# KiCad board Parallel.kicad_pcb (continued)
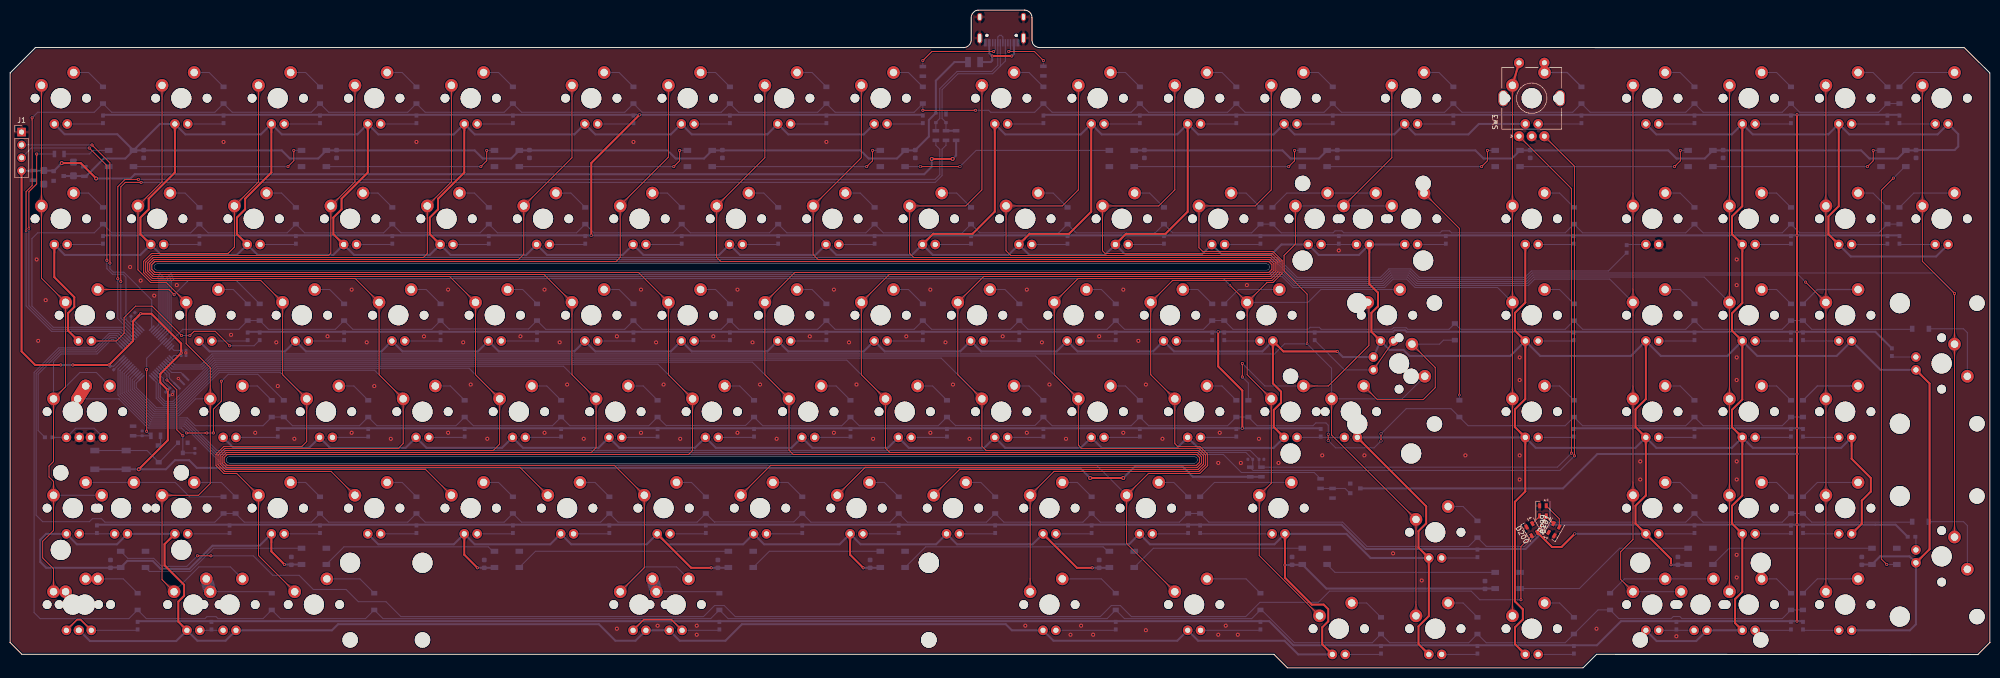
[diagram p0: board, top side]
## Routing (per net, layer and track width the routed paths; a pad name or vN(x,y) marks a point on that pad's centre or on a via; arc(x,y) is an arc through that point) (continued)
Net-(D104-Pad1): length 7.1
  Bottom w0.2: D104.1 161.23,64.57
Net-(D105-Pad1): length 7.1
  Bottom w0.2: D105.1 85.03,64.57
Net-(D106-Pad1): length 42.3
  Top w0.2: D106.1 20.99,64.57 22.5,66.08 22.5,69.17 24.77,71.44 28.06,71.44 v2(33.84,65.65) ; v2(43.37,63.62) 40.5,66.48 36.33,66.48 v2(35.5,65.65)
  Bottom w0.2: v2(33.84,65.65) v2(35.5,65.65) ; v2(43.37,63.62) 48.18,63.62 R48.1
Net-(D107-Pad1): length 7.1
  Bottom w0.2: D107.1 89.79,45.52
Net-(D108-Pad1): length 7.1
  Bottom w0.2: D108.1 65.98,64.57
Net-(D109-Pad1): length 7.1
  Bottom w0.2: D109.1 108.84,45.52
Net-(D110-Pad1): length 7.1
  Bottom w0.2: D110.1 104.08,64.57
Net-(D111-Pad1): length 7
  Bottom w0.2: D95.1 D111.1
Net-(D113-Pad1): length 21
  Top w0.2: D113.1 D114.1
  Bottom w0.2: D113.1 263.53,58.86 R53.1
Net-(D115-Pad1): length 7.1
  Bottom w0.2: D115.1 351.73,64.57
Net-(D116-Pad1): length 7.1
  Bottom w0.2: D116.1 373.12,83.62
Net-(D117-Pad1): length 14.2
  Bottom w0.2: D117.1 235.01,26.47
Net-(D118-Pad1): length 7.1
  Bottom w0.2: D118.1 354.07,64.57
Net-(D119-Pad1): length 7.1
  Bottom w0.2: D119.1 204.09,45.52
Net-(D120-Pad1): length 7.1
  Bottom w0.2: D120.1 156.47,26.47
Net-(D121-Pad1): length 7.1
  Bottom w0.2: D121.1 146.94,45.52
Net-(D122-Pad1): length 7.1
  Bottom w0.2: D122.1 370.78,83.62
Net-(D123-Pad1): length 7.1
  Bottom w0.2: D123.1 308.87,64.57
Net-(D124-Pad1): length 7.1
  Bottom w0.2: D124.1 185.04,45.52
Net-(D125-Pad1): length 7.1
  Bottom w0.2: D125.1 213.62,26.47
Net-(D126-Pad1): length 7.1
  Bottom w0.2: D126.1 351.73,45.52
Net-(D127-Pad1): length 7.1
  Bottom w0.2: D127.1 308.87,45.52
Net-(D128-Pad1): length 7.1
  Bottom w0.2: D128.1 218.38,64.57
Net-(D129-Pad1): length 7.1
  Bottom w0.2: D129.1 165.99,45.52
Net-(D130-Pad1): length 7.1
  Bottom w0.2: D130.1 354.07,45.52
Net-(D131-Pad1): length 7.1
  Bottom w0.2: D131.1 332.68,64.57
Net-(D132-Pad1): length 9.4
  Bottom w0.2: D138.1 D132.1
Net-(D133-Pad1): length 7.1
  Bottom w0.2: D133.1 237.43,64.57
Net-(D134-Pad1): length 7.1
  Bottom w0.2: D134.1 239.77,64.57
Net-(D135-Pad1): length 7.1
  Bottom w0.2: D135.1 175.52,26.47
Net-(D136-Pad1): length 7.1
  Bottom w0.2: D136.1 137.42,26.47
Net-(D137-Pad1): length 7.1
  Bottom w0.2: D137.1 332.68,45.52
Net-(D139-Pad1): length 7.1
  Bottom w0.2: D139.1 223.14,45.52
Net-(D140-Pad1): length 7.1
  Bottom w0.2: D140.1 232.67,26.47
Net-(D141-Pad1): length 7.1
  Bottom w0.2: D141.1 194.57,26.47
Net-(D142-Pad1): length 6.8
  Bottom w0.2: D142.1 351.43,83.62
Net-(D143-Pad1): length 7.1
  Bottom w0.2: D143.1 199.33,64.57
Net-(D144-Pad1): length 7.1
  Bottom w0.2: D144.1 127.89,45.52
Net-(D145-Pad1): length 4.8
  Bottom w0.2: D145.1 371.57,61.4
Net-(D146-Pad1): length 7.1
  Bottom w0.2: D146.1 242.19,45.52
Net-(D147-Pad2): length 3.8
  Bottom w0.2: D147.2 319.29,83.62
Net-(D148-Pad1): length 7.1
  Bottom w0.2: D148.1 308.87,83.62
Net-(D149-Pad2): length 58.5
  Top w0.2: v2(40.16,46.39) 40.16,51.12 41.72,52.68 v2(41.72,56.63) ; v2(34.85,46.39) v2(38.85,46.39)
  Top w2.5: MX97.2 MX58.1
  Bottom w0.2: v2(41.72,56.63) 43.07,57.98 48.92,57.98 D149.2 ; MX58.1 21.48,53.14 27.25,47.37 33.88,47.37 v2(34.85,46.39) ; v2(38.85,46.39) v2(40.16,46.39)
Net-(D150-Pad2): length 7
  Bottom w0.2: MX60.2 48.84,55.68 D150.2
Net-(D151-Pad2): length 7
  Bottom w0.2: MX62.2 67.89,55.68 D151.2
Net-(D152-Pad2): length 7
  Bottom w0.2: D152.2 86.94,55.68 MX64.2
Net-(D153-Pad2): length 7
  Bottom w0.2: D153.2 105.99,55.68 MX66.2
Net-(D154-Pad2): length 7
  Bottom w0.2: MX68.2 125.04,55.68 D154.2
Net-(D155-Pad2): length 7
  Bottom w0.2: MX70.2 144.09,55.68 D155.2
Net-(D156-Pad2): length 7
  Bottom w0.2: MX72.2 163.14,55.68 D156.2
Net-(D157-Pad2): length 7
  Bottom w0.2: MX74.2 182.19,55.68 D157.2
Net-(D158-Pad2): length 7
  Bottom w0.2: MX76.2 201.24,55.68 D158.2
Net-(D159-Pad2): length 7
  Bottom w0.2: D159.2 220.29,55.68 MX78.2
Net-(D160-Pad2): length 7
  Bottom w0.2: D160.2 239.34,55.68 MX80.2
Net-(D161-Pad2): length 46.4
  Top w0.2: 268.36,72.19 268.36,63.69 260.35,55.68 MX52.2 ; v2(243.36,57.45) v2(243.36,60.13)
  Bottom w0.2: MX52.2 247.81,55.68 v2(243.36,60.13) ; v2(243.36,57.45) 244.55,56.26 D161.2
Net-(D162-Pad2): length 43.8
  Top w0.2: v4(286.23,53.88) 286.23,86.8 MX84.2
  Bottom w0.2: v4(286.23,53.88) D162.2
Net-(D163-Pad2): length 7
  Bottom w0.2: D163.2 306.01,55.68 MX86.2
Net-(D164-Pad2): length 7
  Bottom w0.2: D164.2 329.83,55.68 MX88.2
Net-(D165-Pad2): length 7
  Bottom w0.2: MX90.2 348.88,55.68 D165.2
Net-(D166-Pad2): length 12
  Bottom w0.25: MX92.2 356.93,55.68 D166.2
Net-(D167-Pad2): length 16.5
  Bottom w0.2: D167.2 385.79,66.97 386.56,66.21 MX57.2
Net-(D168-Pad2): length 7
  Bottom w0.2: D168.2 286.96,12.82 MX95.2
Net-(D169-Pad2): length 28.4
  Bottom w0.2: MX98.2 MX59.2 32.6,36.63 35.44,33.8 D169.2
Net-(D170-Pad2): length 9.3
  Bottom w0.2: MX61.2 41.69,36.63 D170.2
Net-(D171-Pad2): length 7
  Bottom w0.2: MX63.2 58.36,36.63 D171.2
Net-(D172-Pad2): length 7
  Bottom w0.2: MX65.2 77.41,36.63 D172.2
Net-(D173-Pad2): length 7
  Bottom w0.2: MX67.2 96.46,36.63 D173.2
Net-(D174-Pad2): length 7
  Bottom w0.2: MX69.2 115.51,36.63 D174.2
Net-(D175-Pad2): length 7
  Bottom w0.2: D175.2 134.56,36.63 MX71.2
Net-(D176-Pad2): length 7
  Bottom w0.2: MX73.2 153.61,36.63 D176.2
Net-(D177-Pad2): length 7
  Bottom w0.2: D177.2 172.66,36.63 MX75.2
Net-(D178-Pad2): length 7
  Bottom w0.2: MX77.2 191.71,36.63 D178.2
Net-(D179-Pad2): length 7
  Bottom w0.2: MX79.2 210.76,36.63 D179.2
Net-(D180-Pad2): length 7
  Bottom w0.2: D180.2 229.81,36.63 MX81.2
Net-(D181-Pad2): length 19.2
  Bottom w0.2: D181.2 237.86,36.63 MX83.2
Net-(D182-Pad2): length 7
  Bottom w0.2: D182.2 286.96,31.87 MX85.2
Net-(D183-Pad1): length 15.8
  Top w0.3: D183.1 13.21,9.53 13.93,9.53 D222.1
  Bottom w0.2: D222.1 25.2,7.42
Net-(D184-Pad2): length 7
  Bottom w0.2: MX89.2 329.83,36.63 D184.2
Net-(D185-Pad2): length 7
  Bottom w0.2: D185.2 348.88,36.63 MX91.2
Net-(D186-Pad2): length 12
  Bottom w0.2: D186.2 356.93,36.63 MX93.2
Net-(D187-Pad2): length 16.5
  Bottom w0.2: D187.2 385.79,28.87 386.56,28.11 MX94.2
Net-(D188-Pad1): length 7.1
  Bottom w0.2: D188.1 118.37,26.47
Net-(D189-Pad1): length 7.1
  Bottom w0.2: D189.1 99.32,26.47
Net-(D190-Pad1): length 7.1
  Bottom w0.2: D190.1 80.27,26.47
Net-(D191-Pad1): length 7.1
  Bottom w0.2: D191.1 289.82,21.71
Net-(D192-Pad1): length 7.1
  Bottom w0.2: D192.1 61.22,26.47
Net-(D193-Pad1): length 7
  Bottom w0.2: D193.1 D194.1
Net-(D195-Pad1): length 8.3
  Bottom w0.2: D195.1 43.36,26.47
Net-(D196-Pad1): length 7.1
  Bottom w0.2: D196.1 332.68,26.47
Net-(D197-Pad1): length 7.1
  Bottom w0.2: D197.1 351.73,26.47
Net-(D198-Pad1): length 7.1
  Bottom w0.2: D198.1 354.07,26.47
Net-(D199-Pad1): length 5.2
  Top w0.2: D199.1 305.96,29.43 D201.3
Net-(D199-Pad3): length 2
  Top w0.2: D200.1 302.08,29.93
Net-(D202-Pad2): length 7
  Bottom w0.2: D202.2 267.91,12.82 MX101.2
Net-(D203-Pad2): length 7
  Bottom w0.2: MX102.2 306.01,12.82 D203.2
Net-(D204-Pad2): length 21.6
  Bottom w0.2: MX106.2 MX103.2 318.83,17.58 D204.2
Net-(D205-Pad2): length 7
  Bottom w0.2: MX104.2 348.88,17.58 D205.2
Net-(D206-Pad2): length 12
  Bottom w0.2: MX105.2 356.93,17.58 D206.2
Net-(D207-Pad2): length 9.1
  Bottom w0.2: D207.2 22.35,17.58 MX107.2
Net-(D208-Pad2): length 14.7
  Bottom w0.2: MX108.1 51.53,15.04
  Bottom w2.5: MX113.2 MX108.1
Net-(D209-Pad2): length 15
  Bottom w0.2: MX115.1 139.94,15.04
  Bottom w2.5: MX109.2 MX115.1
Net-(D210-Pad2): length 11.7
  Bottom w0.2: D210.2 215.52,17.58 MX110.2
Net-(D211-Pad2): length 11.7
  Bottom w0.2: MX111.2 244.1,17.58 D211.2
Net-(D212-Pad2): length 10.5
  Bottom w0.2: D212.2 69.08,17.58 MX114.2
Net-(D213-Pad1): length 7.1
  Bottom w0.2: 301.78,2.66 308.87,2.66
Net-(D214-Pad1): length 2.6
  Bottom w0.2: D214.1 376.4,25.88
Net-(D215-Pad1): length 7.1
  Bottom w0.2: D215.1 270.77,2.66
Net-(D216-Pad1): length 7.1
  Bottom w0.2: D216.1 289.82,2.66
Net-(D217-Pad1): length 7.1
  Bottom w0.2: D217.1 351.73,7.42
Net-(D218-Pad1): length 7.1
  Bottom w0.2: D218.1 354.07,7.42
Net-(D219-Pad1): length 1.8
  Bottom w0.2: R117.1 29.7,44
Net-(D219-Pad2): length 19.1
  Bottom w0.2: SW1.2 SW1.2 27.04,42.93 D219.2 ; Q2.1 29.35,40.48
Net-(D223-Pad1): length 4.6
  Bottom w0.2: D223.1 D224.1
Net-(F1-Pad1): length 12.9
  Top w0.4: v2(193.95,120.85) v2(197.82,120.85)
  Bottom w0.4: USB1.2 193.36,121.44 v2(193.95,120.85) 193.95,119.96 193.65,119.66 F1.1 ; USB1.11 198.26,121.29 v2(197.82,120.85)
Net-(Q1-Pad1): length 6.1
  Bottom w0.2: R114.2 263.65,35.44 264.55,34.54
Net-(R107-Pad2): length 17.8
  Top w0.2: v2(194.25,121.74) 182.05,121.74 v2(180.26,119.96)
  Bottom w0.2: v2(180.26,119.96) R107.2 ; v2(194.25,121.74) 194.56,122.06 USB1.4
Net-(R108-Pad2): length 10.6
  Top w0.2: v2(204.07,119.96) 202.29,121.74 v2(197.23,121.74)
  Bottom w0.2: USB1.10 197.56,122.08 v2(197.23,121.74) ; v2(204.07,119.96) R108.2
Net-(R113-Pad2): length 9.1
  Bottom w0.2: R113.2 15.66,101.5 16.36,102.21 RGB1.4
Net-(RGB1-Pad2): length 35.7
  Top w0.2: v2(56.02,102.21) 56.02,100.16 v2(54.87,99.01)
  Bottom w0.2: RGB1.2 v2(54.87,99.01) ; RGB2.4 v2(56.02,102.21)
Net-(RGB2-Pad2): length 35.7
  Top w0.2: v2(94.12,102.21) 94.12,100.16 v2(92.97,99.01)
  Bottom w0.2: RGB3.4 v2(94.12,102.21) ; RGB2.2 v2(92.97,99.01)
Net-(RGB3-Pad2): length 35.7
  Top w0.2: v2(132.22,102.21) 132.22,100.16 v2(131.07,99.01)
  Bottom w0.2: RGB4.4 v2(132.22,102.21) ; RGB3.2 v2(131.07,99.01)
Net-(RGB4-Pad2): length 35.7
  Top w0.2: v2(170.32,102.21) 170.32,100.16 v2(169.17,99.01)
  Bottom w0.2: RGB5.4 v2(170.32,102.21) ; RGB4.2 v2(169.17,99.01)
Net-(RGB5-Pad2): length 41.7
  Top w0.2: v3(179.78,99.01) v3(187.59,99.01)
  Bottom w0.2: RGB5.2 v3(179.78,99.01) ; RGB6.4 190.79,102.21 v3(187.59,99.01)
Net-(RGB6-Pad2): length 35.7
  Top w0.2: v2(253.67,102.21) 253.67,100.16 v2(252.51,99.01)
  Bottom w0.2: RGB7.4 v2(253.67,102.21) ; RGB6.2 v2(252.51,99.01)
Net-(RGB7-Pad2): length 35.7
  Top w0.2: v2(291.77,102.21) 291.77,100.16 v2(290.61,99.01)
  Bottom w0.2: RGB8.4 v2(291.77,102.21) ; RGB7.2 v2(290.61,99.01)
Net-(RGB8-Pad2): length 35.7
  Top w0.2: v2(329.87,102.21) 329.87,100.16 v2(328.71,99.01)
  Bottom w0.2: RGB9.4 v2(329.87,102.21) ; RGB8.2 v2(328.71,99.01)
Net-(RGB10-Pad4): length 35.7
  Top w0.2: v2(367.97,102.21) 367.97,100.16 v2(366.81,99.01)
  Bottom w0.2: RGB10.4 v2(367.97,102.21) ; RGB9.2 v2(366.81,99.01)
Net-(RGB11-Pad4): length 33
  Bottom w0.2: RGB12.2 40.18,23.63 35.6,19.05 27.52,19.05 RGB11.4
Net-(RGB12-Pad4): length 34.7
  Bottom w0.2: 95.32,23.03 94.44,23.91 65.94,23.91 RGB12.4
Net-(RGB13-Pad4): length 42.6
  Bottom w0.2: RGB13.4 103.76,23.03 RGB14.2
Net-(RGB14-Pad4): length 26.4
  Bottom w0.2: RGB14.4 149.95,23.03 RGB15.2
Net-(RGB15-Pad4): length 42.1
  Bottom w0.2: 216.76,23.03 215.88,23.91 180.83,23.91 RGB15.4
Net-(RGB16-Pad4): length 34.8
  Bottom w0.2: RGB16.4 225.8,23.63 RGB17.2
Net-(RGB17-Pad4): length 33.8
  Bottom w0.2: RGB17.4 261.66,18.86 RGB18.2
Net-(RGB18-Pad4): length 36.5
  Bottom w0.2: RGB18.4 309.93,15.66 317.89,23.63 RGB19.2
Net-(RGB19-Pad4): length 32.7
  Bottom w0.2: RGB20.2 339.5,23.63 RGB19.4

## Copper pours and planes (outline as drawn; the poured copper is in the pictures)
+5V on Top: 251.98,24.65 252.44,25.79 251.78,26.95 251.11,25.79 251.58,24.65
+5V on Top: 51.79,24.65 52.26,25.79 51.59,26.95 50.93,25.79 51.39,24.65
+5V on Top: 129.22,25.33 128.75,26.46 127.46,26.81 127.8,25.52 128.94,25.05
+5V on Top: 205.42,25.33 204.95,26.46 203.66,26.81 204,25.52 205.14,25.05
+5V on Top: 340.68,46.66 341.15,45.53 342.44,45.18 342.1,46.47 340.96,46.95
+5V on Top: 342.3,62.76 342.77,63.89 342.1,65.05 341.44,63.89 341.9,62.76
+5V on Top: 342.3,81.81 342.77,82.94 342.1,84.1 341.44,82.94 341.9,81.81
+5V on Top: 340.68,65.72 341.15,64.58 342.44,64.24 342.1,65.52 340.96,66
+5V on Top: 89.89,24.65 90.36,25.79 89.69,26.95 89.03,25.79 89.49,24.65
+5V on Top: 166.09,24.65 166.56,25.79 165.89,26.95 165.23,25.79 165.69,24.65
+5V on Top: 259.72,3.8 260.19,2.67 261.48,2.32 261.13,3.61 260,4.09
+5V on Top: 324.48,25.33 324.01,26.46 322.72,26.81 323.07,25.52 324.2,25.05
+5V on Top: 213.72,105.62 214.18,106.75 213.52,107.91 212.85,106.75 213.32,105.62
+5V on Top: 200.37,85.05 199.24,84.57 198.89,83.29 200.18,83.63 200.66,84.77
+5V on Top: 83.5,84.77 83.98,83.63 85.27,83.29 84.92,84.57 83.79,85.05
+5V on Top: 89.89,105.62 90.36,106.75 89.69,107.91 89.03,106.75 89.49,105.62
+5V on Top: 299.44,43.71 299.91,44.84 299.24,46 298.58,44.84 299.04,43.71
+5V on Top: 297.82,3.8 298.29,2.67 299.58,2.32 299.23,3.61 298.1,4.09
+5V on Top: 342.31,24.65 342.77,25.79 342.11,26.95 341.44,25.79 341.91,24.65
+5V on Top: 340.68,8.56 341.15,7.43 342.44,7.08 342.1,8.37 340.96,8.85
+5V on Top: 278.77,22.85 279.24,21.72 280.53,21.37 280.18,22.66 279.05,23.14
+5V on Top: 267.49,44.38 267.02,45.51 265.73,45.86 266.07,44.57 267.21,44.1
+5V on Top: 33.5,8.56 33.97,7.43 35.26,7.08 34.91,8.37 33.78,8.85
+5V on Top: 31.4,25.05 32.53,25.52 32.88,26.81 31.59,26.46 31.12,25.33
+5V on Top: 364.84,27.9 363.71,27.42 363.36,26.13 364.65,26.48 365.12,27.61
+5V on Top: 363.9,43.71 364.36,44.84 363.7,46 363.03,44.84 363.5,43.71
+5V on Top: 377.82,57.71 377.35,58.85 376.06,59.19 376.41,57.9 377.54,57.43
+5V on Top: 377.54,22.18 376.41,21.71 376.06,20.42 377.35,20.77 377.82,21.9
+5V on Top: 249.59,62.76 250.06,63.89 249.39,65.05 248.73,63.89 249.19,62.76
+5V on Top: 250.19,46.66 250.67,45.53 251.95,45.18 251.61,46.47 250.47,46.95
+5V on Top: 8.93,81.81 9.4,82.94 8.73,84.1 8.06,82.94 8.53,81.81
+5V on Top: 12.07,65.72 12.54,64.58 13.83,64.24 13.48,65.52 12.35,66
+5V on Top: 269.24,65.71 269.72,64.58 271,64.23 270.66,65.52 269.52,66
+5V on Top: 268.65,81.81 269.11,82.94 268.45,84.1 267.78,82.94 268.25,81.81
+5V on Top: 299.44,81.81 299.91,82.94 299.24,84.1 298.58,82.94 299.04,81.81
+5V on Top: 297.82,65.72 298.29,64.58 299.58,64.24 299.23,65.52 298.1,66
+5V on Top: 250.82,63.43 250.35,64.56 249.06,64.91 249.4,63.62 250.54,63.15
+5V on Top: 340.68,84.77 341.15,83.63 342.44,83.29 342.1,84.57 340.96,85.05
+5V on Top: 342.3,105.62 342.77,106.75 342.1,107.91 341.44,106.75 341.9,105.62
+5V on Top: 359.73,84.77 360.2,83.63 361.49,83.29 361.15,84.57 360.01,85.05
+5V on Top: 361.35,105.62 361.82,106.75 361.15,107.91 360.49,106.75 360.95,105.62
+5V on Top: 297.82,46.67 298.29,45.53 299.58,45.19 299.23,46.47 298.1,46.95
+5V on Top: 299.44,62.76 299.91,63.89 299.24,65.05 298.58,63.89 299.04,62.76
+5V on Top: 342.31,43.7 342.77,44.84 342.11,46 341.44,44.84 341.91,43.7
+5V on Top: 340.68,27.61 341.15,26.48 342.44,26.13 342.1,27.42 340.96,27.9
+5V on Top: 321.63,46.66 322.1,45.53 323.39,45.19 323.05,46.47 321.91,46.95
+5V on Top: 323.26,62.76 323.72,63.89 323.05,65.05 322.39,63.89 322.86,62.76
+5V on Top: 321.63,27.61 322.1,26.48 323.39,26.13 323.05,27.42 321.91,27.9
+5V on Top: 323.26,43.7 323.72,44.84 323.05,46 322.39,44.84 322.86,43.7
+5V on Top: 278.77,3.8 279.24,2.67 280.53,2.32 280.18,3.61 279.05,4.09
+5V on Top: 280.39,19.89 280.86,21.03 280.19,22.19 279.53,21.03 279.99,19.89
+5V on Top: 70.84,105.62 71.31,106.75 70.64,107.91 69.98,106.75 70.44,105.62
+5V on Top: 64.45,84.76 64.93,83.63 66.22,83.29 65.87,84.57 64.74,85.05
+5V on Top: 51.79,105.62 52.26,106.75 51.59,107.91 50.93,106.75 51.39,105.62
+5V on Top: 45.4,84.76 45.88,83.63 47.17,83.29 46.82,84.57 45.69,85.05
+5V on Top: 32.74,105.62 33.21,106.75 32.54,107.91 31.88,106.75 32.34,105.62
+5V on Top: 26.35,84.76 26.83,83.63 28.12,83.29 27.77,84.57 26.64,85.05
+5V on Top: 181.32,85.05 180.19,84.57 179.84,83.29 181.13,83.63 181.61,84.77
+5V on Top: 194.67,105.62 195.13,106.75 194.47,107.91 193.8,106.75 194.27,105.62
+5V on Top: 219.42,85.05 218.29,84.57 217.94,83.29 219.23,83.63 219.71,84.77
+5V on Top: 232.77,105.62 233.23,106.75 232.57,107.91 231.9,106.75 232.37,105.62
+5V on Bottom: 9.29,26.27 10.43,25.8 11.59,26.47 10.43,27.14 9.29,26.67
+5V on Bottom: 202.18,7.22 203.31,6.75 204.47,7.42 203.31,8.09 202.18,7.62
+5V on Bottom: 321.24,26.27 322.38,25.8 323.53,26.47 322.38,27.14 321.24,26.67
+5V on Bottom: 10.16,106.29 9.68,107.42 8.39,107.77 8.74,106.48 9.87,106.01
+5V on Bottom: 30.73,107.23 31.86,106.77 33.02,107.43 31.86,108.1 30.73,107.63
+5V on Bottom: 384.17,106.29 383.7,107.42 382.41,107.77 382.75,106.48 383.89,106.01
+5V on Bottom: 297.43,107.23 298.56,106.77 299.72,107.43 298.56,108.1 297.43,107.63
+5V on Bottom: 276.86,106.29 276.38,107.42 275.09,107.77 275.44,106.48 276.57,106.01
+5V on Bottom: 324.48,6.28 324.01,7.41 322.72,7.76 323.07,6.47 324.2,6
+5V on Bottom: 333.98,6 335.11,6.47 335.46,7.76 334.17,7.41 333.69,6.28
+5V on Bottom: 336.94,7.62 335.8,8.09 334.64,7.42 335.8,6.75 336.94,7.22
+5V on Bottom: 340.29,7.22 341.43,6.75 342.58,7.42 341.43,8.09 340.29,7.62
+5V on Bottom: 376.6,18.94 377.06,20.08 376.4,21.23 375.73,20.08 376.2,18.94
+5V on Bottom: 365.51,7.62 364.38,8.09 363.22,7.42 364.38,6.75 365.51,7.22
+5V on Bottom: 233.99,6.28 233.52,7.41 232.23,7.76 232.58,6.47 233.71,6
+5V on Bottom: 259.33,2.46 260.46,1.99 261.62,2.66 260.46,3.33 259.33,2.86
+5V on Bottom: 278.38,21.51 279.51,21.04 280.67,21.71 279.51,22.38 278.38,21.91
+5V on Bottom: 253.59,26.67 252.46,27.14 251.3,26.47 252.46,25.8 253.59,26.27
+5V on Bottom: 231.42,6 232.56,6.47 232.9,7.76 231.62,7.41 231.14,6.28
+5V on Bottom: 205.42,6.28 204.95,7.41 203.66,7.76 204,6.47 205.14,6
+5V on Bottom: 131.6,6.28 131.13,7.41 129.84,7.76 130.18,6.47 131.32,6
+5V on Bottom: 46.42,7.62 45.29,8.09 44.13,7.42 45.29,6.75 46.42,7.22
+5V on Bottom: 124.43,6 125.56,6.47 125.91,7.76 124.62,7.41 124.14,6.28
+5V on Bottom: 128.36,7.22 129.49,6.75 130.65,7.42 129.49,8.09 128.36,7.62
+5V on Bottom: 127.39,7.62 126.25,8.09 125.09,7.42 126.25,6.75 127.39,7.22
+5V on Bottom: 43.46,6 44.6,6.47 44.94,7.76 43.65,7.41 43.18,6.28
+5V on Bottom: 36.35,6.28 35.88,7.41 34.59,7.76 34.93,6.47 36.07,6
+5V on Bottom: 33.78,6 34.91,6.47 35.26,7.76 33.97,7.41 33.5,6.28
+5V on Bottom: 15.08,6.28 14.44,7.41 13.16,7.76 13.5,6.47 14.79,6
+5V on Bottom: 15.08,6.28 14.6,7.41 13.31,7.76 13.66,6.47 14.79,6
+5V on Bottom: 50.45,25.05 51.58,25.52 51.93,26.81 50.64,26.46 50.17,25.33
+5V on Bottom: 374.98,21.89 375.44,20.77 376.73,20.42 376.39,21.71 375.27,22.17
+5V on Bottom: 250.63,25.05 251.77,25.52 252.11,26.81 250.82,26.46 250.35,25.33
+5V on Bottom: 224.47,25.33 224,26.46 222.71,26.81 223.05,25.52 224.19,25.05
+5V on Bottom: 183.8,25.05 184.93,25.52 185.28,26.81 183.99,26.46 183.52,25.33
+5V on Bottom: 167.32,25.33 166.85,26.46 165.56,26.81 165.9,25.52 167.04,25.05
+5V on Bottom: 145.7,25.05 146.83,25.52 147.18,26.81 145.89,26.46 145.42,25.33
+5V on Bottom: 129.22,25.33 128.75,26.46 127.46,26.81 127.8,25.52 128.94,25.05
+5V on Bottom: 221.9,25.05 223.03,25.52 223.38,26.81 222.09,26.46 221.62,25.33
+5V on Bottom: 205.42,25.33 204.95,26.46 203.66,26.81 204,25.52 205.14,25.05
+5V on Bottom: 202.85,25.05 203.98,25.52 204.33,26.81 203.04,26.46 202.57,25.33
+5V on Bottom: 186.37,25.33 185.9,26.46 184.61,26.81 184.95,25.52 186.09,25.05
+5V on Bottom: 164.75,25.05 165.88,25.52 166.23,26.81 164.94,26.46 164.47,25.33
+5V on Bottom: 148.27,25.33 147.8,26.46 146.51,26.81 146.85,25.52 147.99,25.05
+5V on Bottom: 126.65,25.05 127.78,25.52 128.13,26.81 126.84,26.46 126.37,25.33
+5V on Bottom: 110.17,25.33 109.69,26.46 108.41,26.81 108.75,25.52 109.89,25.05
+5V on Bottom: 107.6,25.05 108.73,25.52 109.08,26.81 107.79,26.46 107.32,25.33
+5V on Bottom: 91.12,25.33 90.64,26.46 89.36,26.81 89.7,25.52 90.84,25.05
+5V on Bottom: 88.55,25.05 89.68,25.52 90.03,26.81 88.74,26.46 88.27,25.33
+5V on Bottom: 72.07,25.33 71.59,26.46 70.31,26.81 70.65,25.52 71.79,25.05
+5V on Bottom: 24.99,26.67 23.86,27.14 22.7,26.47 23.86,25.8 24.99,26.27
+5V on Bottom: 30.73,26.27 31.86,25.8 33.02,26.47 31.86,27.14 30.73,26.67
+5V on Bottom: 22.03,25.05 23.17,25.52 23.51,26.81 22.22,26.46 21.75,25.33
+5V on Bottom: 12.54,25.33 12.06,26.46 10.77,26.81 11.12,25.52 12.25,25.05
+5V on Bottom: 374.58,58.66 375.72,58.19 376.87,58.86 375.72,59.52 374.58,59.06
+5V on Bottom: 365.12,63.43 364.65,64.56 363.36,64.91 363.7,63.62 364.84,63.15
+5V on Bottom: 362.55,63.15 363.69,63.62 364.03,64.91 362.74,64.56 362.27,63.43
+5V on Bottom: 343.53,63.43 343.06,64.56 341.77,64.91 342.11,63.62 343.25,63.15
+5V on Bottom: 362.55,44.1 363.69,44.57 364.03,45.86 362.74,45.51 362.27,44.38
+5V on Bottom: 343.53,44.38 343.06,45.51 341.77,45.86 342.12,44.57 343.25,44.1
+5V on Bottom: 297.43,45.32 298.56,44.86 299.72,45.52 298.56,46.19 297.43,45.72
+5V on Bottom: 267.88,45.72 266.74,46.19 265.59,45.52 266.74,44.85 267.88,45.32
+5V on Bottom: 38.73,63.43 38.26,64.56 36.97,64.91 37.31,63.62 38.45,63.15
+5V on Bottom: 55.21,63.15 56.35,63.62 56.69,64.91 55.4,64.56 54.93,63.43
+5V on Bottom: 340.96,63.15 342.1,63.62 342.44,64.91 341.15,64.56 340.68,63.43
+5V on Bottom: 324.48,63.43 324.01,64.56 322.72,64.91 323.06,63.62 324.2,63.15
+5V on Bottom: 321.91,63.15 323.05,63.62 323.39,64.91 322.1,64.56 321.63,63.43
+5V on Bottom: 300.67,63.43 300.19,64.56 298.91,64.91 299.25,63.62 300.39,63.15
+5V on Bottom: 340.96,44.1 342.1,44.57 342.44,45.86 341.15,45.51 340.68,44.38
+5V on Bottom: 324.48,44.38 324.01,45.51 322.72,45.86 323.06,44.57 324.2,44.1
+5V on Bottom: 321.91,44.1 323.05,44.57 323.39,45.86 322.1,45.51 321.63,44.38
+5V on Bottom: 300.67,44.38 300.19,45.51 298.91,45.86 299.25,44.57 300.39,44.1
+5V on Bottom: 250.47,44.1 251.61,44.57 251.95,45.86 250.67,45.51 250.19,44.38
+5V on Bottom: 233.99,44.38 233.52,45.51 232.23,45.86 232.58,44.57 233.71,44.1
+5V on Bottom: 26.64,82.2 27.77,82.67 28.12,83.96 26.83,83.61 26.35,82.48
+5V on Bottom: 10.16,82.48 9.68,83.61 8.39,83.96 8.74,82.67 9.87,82.2
+5V on Bottom: 381.6,82.2 382.74,82.67 383.08,83.96 381.79,83.61 381.32,82.48
+5V on Bottom: 362.58,82.48 362.11,83.61 360.82,83.96 361.16,82.67 362.3,82.2
+5V on Bottom: 231.42,44.1 232.56,44.57 232.9,45.86 231.61,45.51 231.14,44.38
+5V on Bottom: 214.94,44.38 214.47,45.51 213.18,45.86 213.53,44.57 214.66,44.1
+5V on Bottom: 212.37,44.1 213.51,44.57 213.85,45.86 212.56,45.51 212.09,44.38
+5V on Bottom: 195.89,44.38 195.42,45.51 194.13,45.86 194.48,44.57 195.61,44.1
+5V on Bottom: 193.32,44.1 194.46,44.57 194.8,45.86 193.51,45.51 193.04,44.38
+5V on Bottom: 176.84,44.38 176.37,45.51 175.08,45.86 175.43,44.57 176.56,44.1
+5V on Bottom: 174.27,44.1 175.41,44.57 175.75,45.86 174.46,45.51 173.99,44.38
+5V on Bottom: 157.79,44.38 157.32,45.51 156.03,45.86 156.38,44.57 157.51,44.1
+5V on Bottom: 155.22,44.1 156.36,44.57 156.7,45.86 155.41,45.51 154.94,44.38
+5V on Bottom: 138.74,44.38 138.27,45.51 136.98,45.86 137.33,44.57 138.46,44.1
+5V on Bottom: 136.17,44.1 137.31,44.57 137.65,45.86 136.36,45.51 135.89,44.38
+5V on Bottom: 119.69,44.38 119.22,45.51 117.93,45.86 118.28,44.57 119.41,44.1
+5V on Bottom: 117.12,44.1 118.26,44.57 118.6,45.86 117.31,45.51 116.84,44.38
+5V on Bottom: 100.64,44.38 100.17,45.51 98.88,45.86 99.23,44.57 100.36,44.1
+5V on Bottom: 381.6,106.01 382.74,106.48 383.08,107.77 381.79,107.42 381.32,106.29
+5V on Bottom: 362.58,106.29 362.11,107.42 360.82,107.77 361.16,106.48 362.3,106.01
+5V on Bottom: 360.01,106.01 361.15,106.48 361.49,107.77 360.2,107.42 359.73,106.29
+5V on Bottom: 343.53,106.29 343.06,107.42 341.77,107.77 342.11,106.48 343.25,106.01
+5V on Bottom: 340.96,106.01 342.1,106.48 342.44,107.77 341.15,107.42 340.68,106.29
+5V on Bottom: 324.48,106.29 324.01,107.42 322.72,107.77 323.06,106.48 324.2,106.01
+5V on Bottom: 267.42,61.2 268.56,60.73 269.72,61.4 268.56,62.06 267.42,61.6
+5V on Bottom: 269.8,63.14 268.91,62.29 269.04,60.96 270.13,61.74 270.17,62.97
+5V on Bottom: 270.1,62.83 271,63.68 270.86,65.01 269.78,64.23 269.74,63
+5V on Bottom: 272.09,63.43 271.62,64.56 270.33,64.91 270.68,63.62 271.81,63.15
+5V on Bottom: 298.1,63.15 299.23,63.62 299.58,64.91 298.29,64.56 297.82,63.43
+5V on Bottom: 248.25,63.15 249.39,63.62 249.73,64.91 248.44,64.56 247.97,63.43
+5V on Bottom: 229.23,63.43 228.76,64.56 227.47,64.91 227.81,63.62 228.95,63.15
+5V on Bottom: 226.66,63.15 227.8,63.62 228.14,64.91 226.85,64.56 226.38,63.43
+5V on Bottom: 210.18,63.43 209.71,64.56 208.42,64.91 208.76,63.62 209.9,63.15
+5V on Bottom: 207.61,63.15 208.75,63.62 209.09,64.91 207.8,64.56 207.33,63.43
+5V on Bottom: 191.13,63.43 190.66,64.56 189.37,64.91 189.71,63.62 190.85,63.15
+5V on Bottom: 188.56,63.15 189.7,63.62 190.04,64.91 188.75,64.56 188.28,63.43
+5V on Bottom: 172.08,63.43 171.61,64.56 170.32,64.91 170.66,63.62 171.8,63.15
+5V on Bottom: 98.07,44.1 99.21,44.57 99.55,45.86 98.26,45.51 97.79,44.38
+5V on Bottom: 81.59,44.38 81.12,45.51 79.83,45.86 80.18,44.57 81.31,44.1
+5V on Bottom: 59.97,44.1 61.11,44.57 61.45,45.86 60.16,45.51 59.69,44.38
+5V on Bottom: 43.49,44.38 43.02,45.51 41.73,45.86 42.08,44.57 43.21,44.1
+5V on Bottom: 62.54,44.38 62.07,45.51 60.78,45.86 61.13,44.57 62.26,44.1
+5V on Bottom: 79.02,44.1 80.16,44.57 80.5,45.86 79.21,45.51 78.74,44.38
+5V on Bottom: 169.51,63.15 170.65,63.62 170.99,64.91 169.7,64.56 169.23,63.43
+5V on Bottom: 153.03,63.43 152.56,64.56 151.27,64.91 151.61,63.62 152.75,63.15
+5V on Bottom: 150.46,63.15 151.6,63.62 151.94,64.91 150.65,64.56 150.18,63.43
